# Altium PCB IP5306&IP5108.PcbDoc
Units mil, origin at the board's own origin, x right, y up, seen from the top; angles counter-clockwise.
Board outline 6000 x 4000 mil, 2 copper layers (Top Layer, Bottom Layer); 78 components, 43 nets, 213 pads, 106 vias.
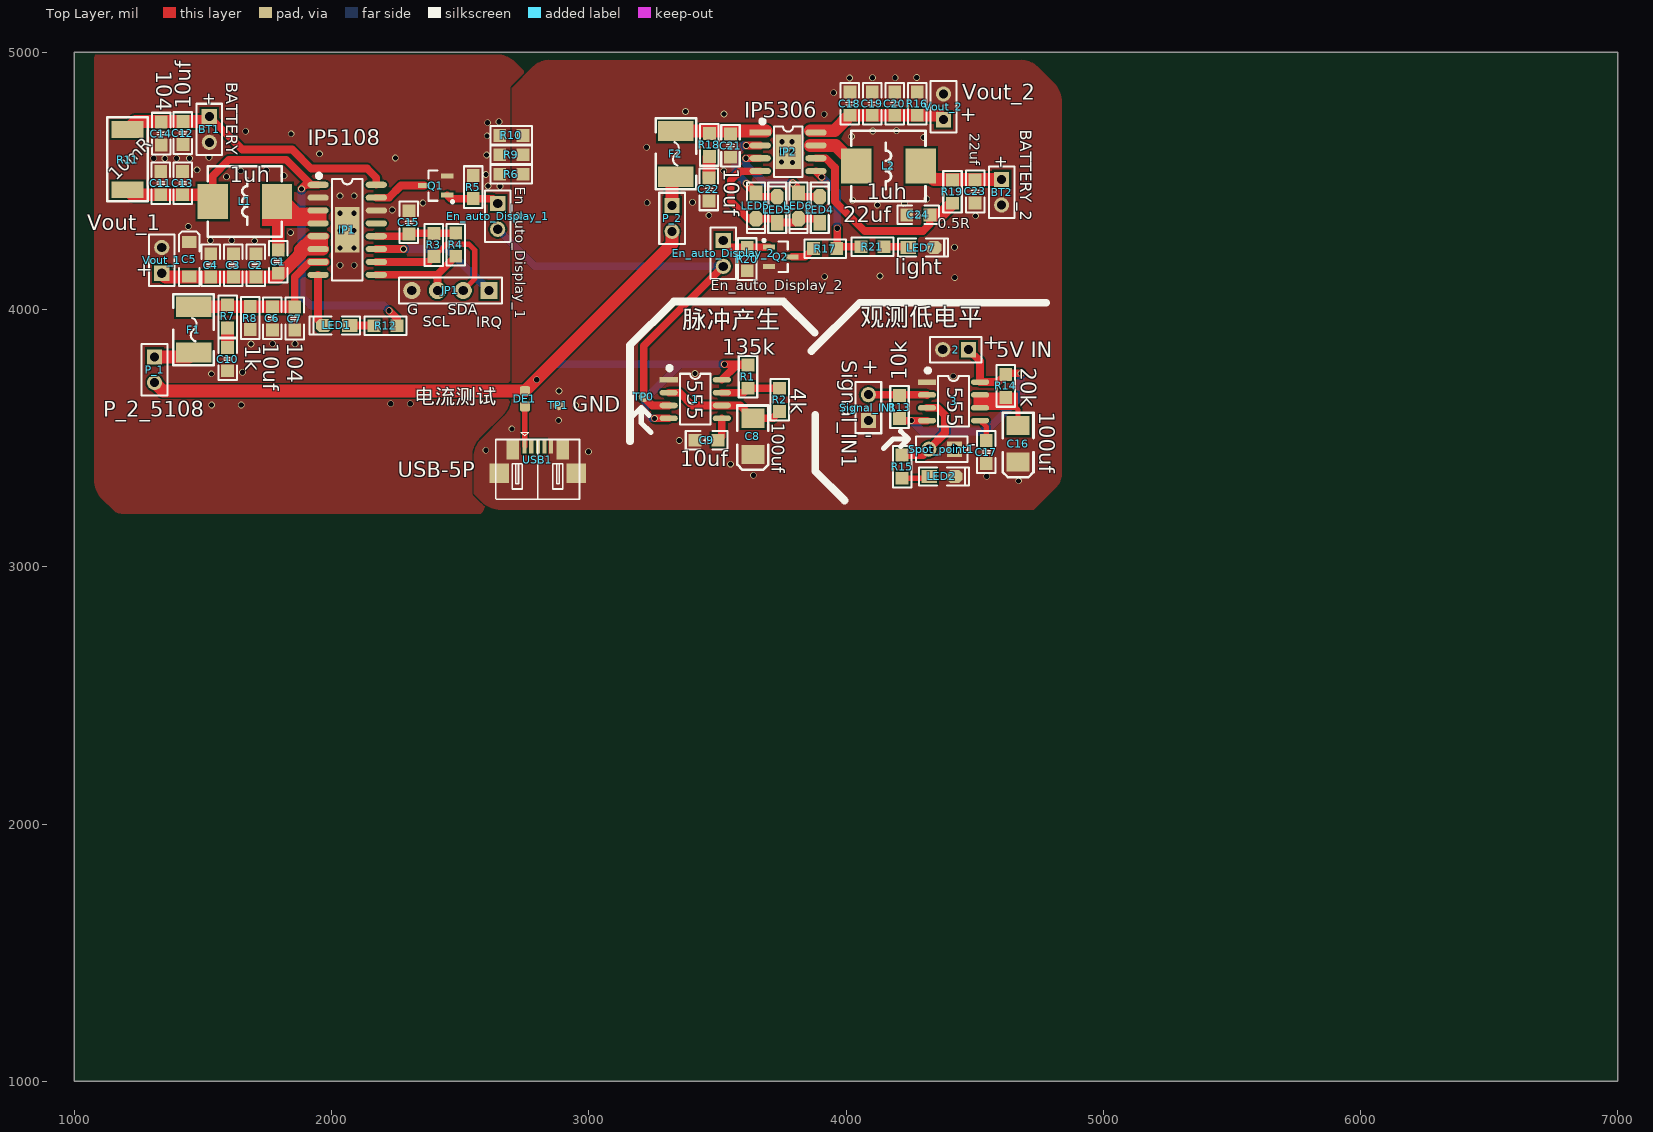
[diagram p0: Top Layer view]
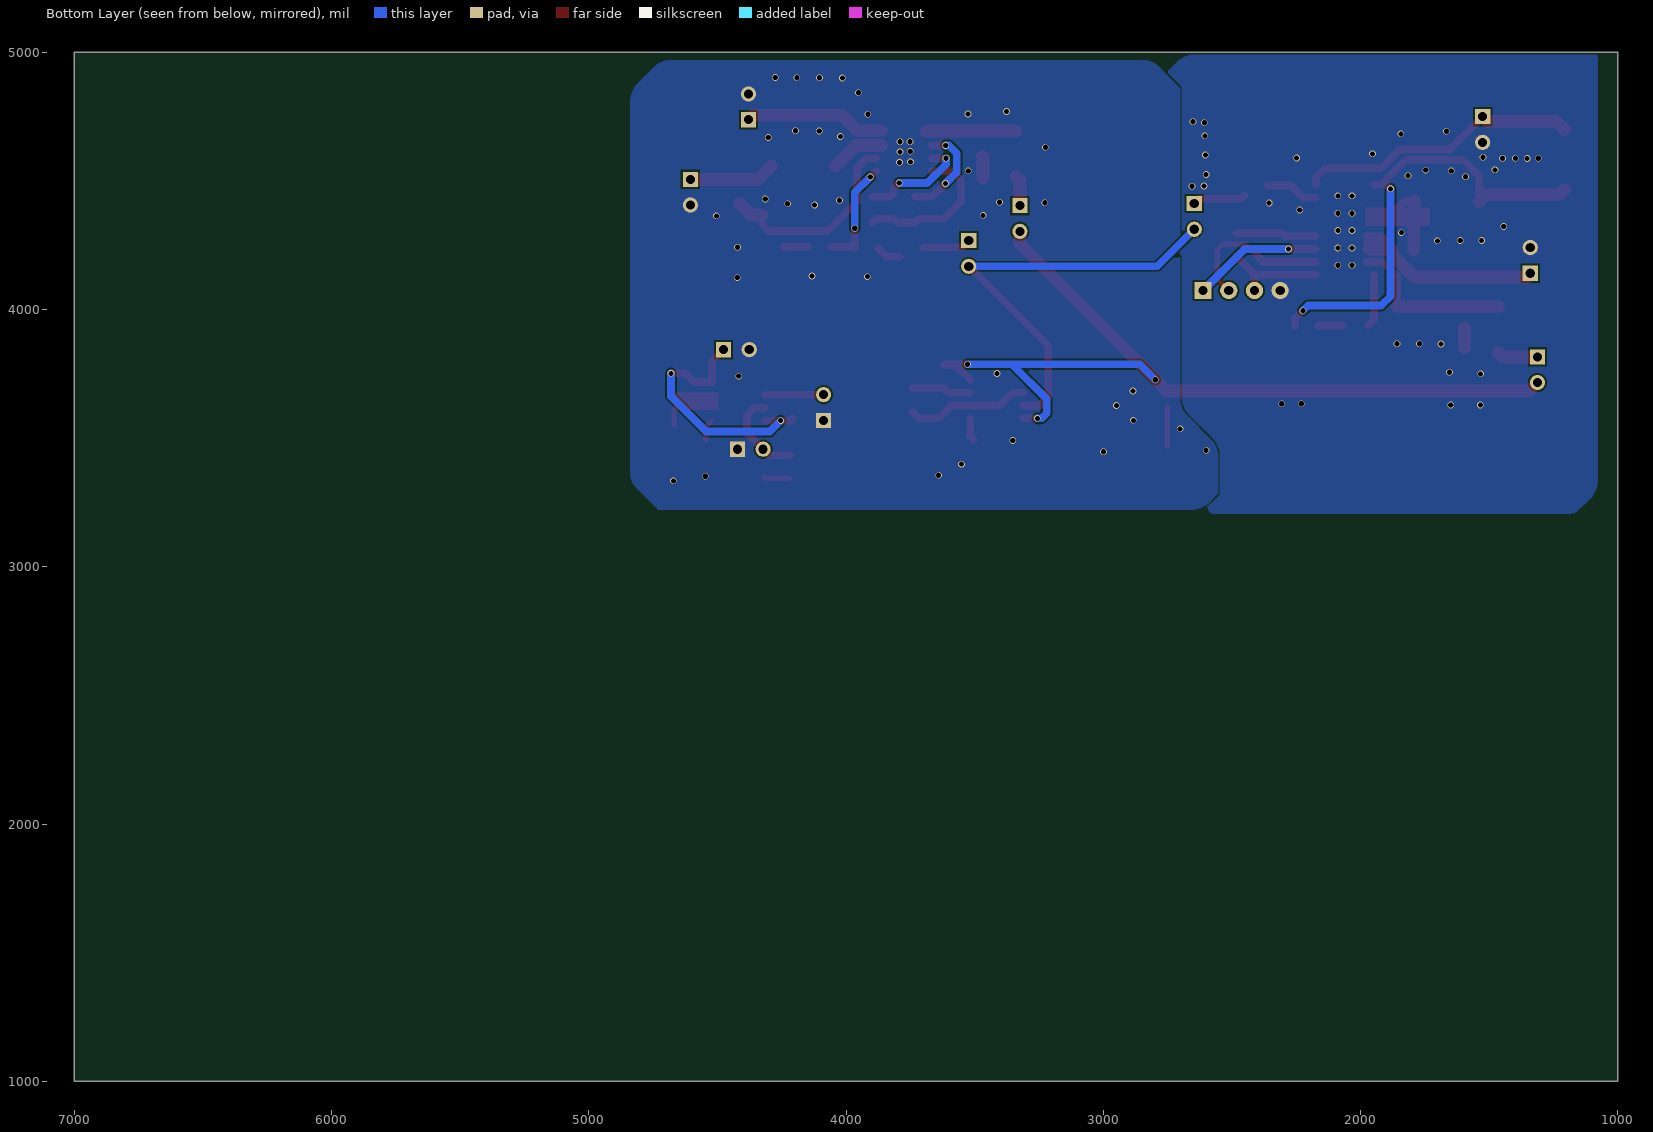
[diagram p1: Bottom Layer view, seen from below]

## Layer stack, top to bottom
Top Layer: signal copper 1.4
Dielectric: dielectric 12.6, FR-4, Dk 4.8
Bottom Layer: signal copper 1.4

## Board outline
1000,1000 7000,1000 7000,5000 1000,5000

## Design rules (kind name [scope] priority, off if disabled: settings)
Clearance [All] p1: gap=7
PlaneConnect [All] p1: planeconnectstyle=Direct reliefexpansion=20 reliefentries=4 reliefconductorwidth=10 reliefairgap=10
PolygonConnect [All] p1: connectstyle=Direct reliefconductorwidth=10 reliefentries=4 polygonreliefangle="90 Angle"
RoutingVias [All] p1: holewidth=28 width=26 viastyle="Through Hole" minholewidth=20 minwidth=26 maxholewidth=28 maxwidth=200
SilkscreenOverComponentPads [All] p1: minsilkscreentomaskgap=10
SolderMaskExpansion [All] p1: expansion=6
Width [All] p1: maxlimit=100 minlimit=10 preferedwidth=10
26 further rules are at their usual default settings.

## Components (designator, comment, footprint, x,y, rotation, side; value= is the part's Value field where it differs from the comment)
1 "555" SOP8_N 3414,3652 r0 top
2 "5V IN" HDR1X2 4476,3844 r180 top
3 "555" SOP8_N 4418,3643 r0 top
BT1 "BATTERY" BAT-2 1525,4700 r270 top
BT2 "BATTERY_2" BAT-2 4605,4456 r270 top
C1 "3.3nf" "C 0805_M" 1793,4186 r90 top
C2 "104" "C 0805_M" 1706,4172.06 r270 top
C3 "10uf" "C 0805_M" 1618.27,4172.06 r270 top
C4 "10uf" "C 0805_M" 1530.53,4172.06 r270 top
C5 "47uf" "CD A(3216)" 1446.73,4196 r270 top
C6 "10uf" "C 0805_M" 1770,3966 r90 top
C7 "104" "C 0805_M" 1857,3965 r90 top
C8 "100uf" "CD B(3528)" 3638,3507 r90 top
C9 "10uf" "C 0805_M" 3458,3492 r0 top
C10 "10uf" "C 0805_M" 1596,3807 r90 top
C11 "104" "C 0805_M" 1336,4491 r270 top
C12 "10uf" "C 0805_M" 1422,4686 r90 top
C13 "10uf" "C 0805_M" 1421,4491 r270 top
C14 "104" "C 0805_M" 1338,4684 r90 top
C15 "2.2uf" "C 0805_M" 2301,4339 r270 top
C16 "100uf" "CD B(3528)" 4669,3478 r90 top
C17 "10uf" "C 0805_M" 4545,3446 r90 top
C18 "22uf" "C 0805_M" 4015,4800 r270 top
C19 "22uf" "C 0805_M" 4102.27,4800 r270 top
C20 "22uf" "C 0805_M" 4189.53,4800 r270 top
C21 "10uf" "C 0805_M" 3551,4637 r90 top
C22 "10uf" "C 0805_M" 3467,4467 r90 top
C23 "22uf" "C 0805_M" 4502,4459 r90 top
C24 "22uf" "C 0805_M" 4281,4368 r0 top
DE1 "电流测试" DEBUG_B 2752,3653 r90 top
En_auto_Display_1 "En_auto_Display_1" HDR1X2 2646,4412 r270 top
En_auto_Display_2 "En_auto_Display_2" HDR1X2 3523,4268 r270 top
F1 "MSMD200-8V 2A" "FU 1812" 1464,3922 r90 top
F2 "MSMD200-8V 2A" "FU 1812" 3339,4605 r90 top
IP1 "IP5108" ESOP16_M 2061,4310 r0 top
IP2 "IP5306" ESOP8_M 3775,4613 r0 top
JP1 "I2C" HDR2.54-LI-4P 2462,4074 r180 top
L1 "1uh" L-SMD-0630 1663,4420 r180 top
L2 "1uh" L-SMD-0630 4165,4558 r0 top
LED1 "light" "LED 0805G" 2020,3938 r180 top
LED2 "led" "LED 0805G" 4373,3351 r0 top
LED3 "led2" "LED 0805G" 3732.67,4388 r90 top
LED4 "led4" "LED 0805G" 3898,4388 r90 top
LED5 "led1" "LED 0805G" 3650,4403 r270 top
LED6 "led3" "LED 0805G" 3815.33,4403 r270 top
LED7 "light" "LED 0805G" 4292,4241 r0 top
P_1 "P_2_5108" HDR1X2 1312,3816 r270 top
P_2 "P_2_5306" HDR1X2 3324,4404 r270 top
Q1 "SI2302" SOT23-3N 2405,4482 r90 top
Q2 "SI2302" SOT23-3N 3746,4205 r270 top
R1 "135k" "R 0805_M" 3619,3739 r90 top
R2 "4k" "R 0805_M" 3742,3649 r90 top
R3 "3.3K" "R 0805_M" 2398,4251 r90 top
R4 "3.3K" "R 0805_M" 2483,4252 r90 top
R5 "10k" "R 0805_M" 2551,4476 r90 top
R6 "0R" "R 0805_M" 2699,4526 r0 top
R7 "2R" "R 0805_M" 1596,3973 r270 top
R8 "1k" "R 0805_M" 1684,3967 r270 top
R9 "0R" "R 0805_M" 2699,4601.5 r0 top
R10 "0R" "R 0805_M" 2699,4677 r0 top
R11 "10mR" "R 2512-HP_L" 1207,4582 r90 top
R12 "220r" "R 0805_M" 2210,3937 r0 top
R13 "10k" "R 0805_M" 4208,3621 r90 top
R14 "20k" "R 0805_M" 4621,3703 r270 top
R15 "220r" "R 0805_M" 4218,3389 r90 top
R16 "1k" "R 0805_M" 4276.8,4800 r90 top
R17 "10K" "R 0805_M" 3919,4237 r180 top
R18 "2R" "R 0805_M" 3469,4640 r270 top
R19 "0.5R" "R 0805_M" 4414,4458 r270 top
R20 "10k" "R 0805_M" 3616,4196 r270 top
R21 "220r" "R 0805_M" 4103,4244 r0 top
Signal_IN1 "Signal_IN1" HDR1X2 4087,3569 r90 top
Spot_point1 "Spot_point" HDR1X2 4422,3457 r180 top
TP0 "display" "TEST 1" 3214,3660 r90 top
TP1 "GND" "TEST 1" 2882,3628 r180 top
USB1 "USB-5P" USB-MICRO_E 2802,3376 r0 top
Vout_1 "Vout_1" HDR1X2 1340,4141 r90 top
Vout_2 "Vout_2" HDR1X2 4379,4738 r90 top

## Footprints (in the part's own frame and the unit in brackets; to place one, negate y for a bottom-side part, rotate by r counter-clockwise, add the part's x,y. Pads: shape width x height; smd on the part's side, far side on the other; paste and mask are expansions set on the pad)
BAT-2 [mm] "Multicell Battery; 2 Leads"
  rect 1.5x1.5 hole 0.9: 1(-1.27,0)
  round 1.5 hole 0.9: 2(1.27,0)
  silkscreen extent -2.54,-1.27 2.54,1.27
"C 0805_M" [mil]
  rect 50x50 smd: 1(-45,0) 2(45,0)
  silkscreen extent -81,-36 81,36, body extent -39,-24 39,24, height 20
"CD A(3216)" [mm]
  rect 1.2x1.4 smd: 1(-1.7,0) 2(1.7,0)
  silkscreen extent -2.74,-1.02 2.67,1.02, body extent -1.6,-0.8 1.6,0.8, height 1.6
"CD B(3528)" [mil]
  rect 75x90 smd: 1(-70.87,-0.01) 2(70.86,-0.01)
  silkscreen extent -130,-60 120,60, body extent -69,-55 69,55, height 75
DEBUG_B [mil]
  rrect50% 40x40 smd paste+0 mask+0: 1(-30,0) 2(30,0)
ESOP8_M [mm] "5*6*1.8"
  rect 2.1x0.6 smd: 1(-2.75,1.905)
  oval 2.1x0.6 smd: 2(-2.75,0.635) 3(-2.75,-0.635) 4(-2.75,-1.905) 5(2.75,-1.905) 6(2.75,-0.635) 7(2.75,0.635) 8(2.75,1.905)
  rect 2.5x3.4 smd paste-2: 9(0,0)
  rect 0.9x0.7 on Top Paste: 10(-0.625,-1.1) 10(-0.625,0) 10(-0.625,1.1) 11(0.65,-1.1) 11(0.65,0) 11(0.65,1.1)
  silkscreen extent -2.69,-2.5 1.4,3.15, body extent -3,-2.5 3,2.5, height 1.53
ESOP16_M [mm] "10.3*6.2*1.8"
  oval 2.1x0.6 smd: 1(-2.875,4.445) 2(-2.875,3.175) 3(-2.875,1.905) 4(-2.875,0.635) 5(-2.875,-0.635) 6(-2.875,-1.905) 7(-2.875,-3.175) 8(-2.875,-4.445) 9(2.875,-4.445) 10(2.875,-3.175) 11(2.875,-1.905) 12(2.875,-0.635) 13(2.875,0.635) 14(2.875,1.905) 15(2.875,3.175) 16(2.875,4.445)
  rect 0.9x0.7 on Top Paste: 10(-0.625,-0.575) 10(-0.625,0.525) 10(-0.625,1.625) 10(0.625,-1.625) 11(-0.65,-1.625) 11(0.65,-0.575) 11(0.65,0.525) 11(0.65,1.625)
  rect 2.4x4.5 smd paste-3: 17(0,0)
  silkscreen extent -2.95,-5 1.52,5.49, body extent -3,-5 3,5, height 1.53
"FU 1812" [mm]
  rect 2x3.5 smd: 1(-2.25,0) 2(2.25,0)
  silkscreen extent -3.5,-2 3.5,2, body extent -2.3,-1.61 2.3,1.61, height 0.87
HDR1X2 [mm] "Connector; Header; 2 Position"
  rect 1.5x1.5 hole 0.9: 1(0,0)
  round 1.5 hole 0.9: 2(2.54,0)
  silkscreen extent -1.27,-1.27 3.81,1.27
HDR2.54-LI-4P [mm]
  rect 1.7x1.7 hole 0.9: 1(-3.81,0)
  round 1.7 hole 0.9: 2(-1.27,0) 3(1.27,0) 4(3.81,0)
  silkscreen extent -5.08,-1.27 5.08,1.27, body extent -5.08,-1.27 5.08,1.27, height 8.5
L-SMD-0630 [mm]
  rect 3x3.5 smd: 1(-3.175,0) 2(3.175,0)
  silkscreen extent -3.66,-3.48 3.66,3.48, body extent -3.47,-3.3 3.47,3.3, height 3.05
"LED 0805G" [mil] "绿色0"
  rect 60x50 smd: 1(-50,0)
  oct 60x50 smd: 2(50,0)
  silkscreen extent -90,-35 105,35, body extent -39,-25 39,25, height 32
"R 0805_M" [mil]
  rect 50x50 smd: 1(-45,0) 2(45,0)
  silkscreen extent -81,-36 81,36, body extent -39,-25 39,25, height 20
"R 2512-HP_L" [mm]
  rect 1.65x3.2 smd: 1(-2.95,0) 2(3,0)
  silkscreen extent -4.1,-2 4.2,2, body extent -3.2,-1.6 3.2,1.6, height 0.55
SOP8_N [mm] "5*6*1.8mm"
  rect 1.8x0.55 smd: 1(-2.625,1.905)
  oval 1.8x0.55 smd: 2(-2.625,0.635) 3(-2.625,-0.635) 4(-2.625,-1.905) 5(2.625,-1.905) 6(2.625,-0.635) 7(2.625,0.635) 8(2.625,1.905)
  silkscreen extent -2.69,-2.5 1.52,3.2, body extent -3,-2.5 3,2.5, height 1.9
SOT23-3N [mm]
  rect 0.5x1.2 smd: 1(-0.95,-1.143) 2(0.95,-1.143) 3(0,1.143)
  silkscreen extent -1.72,-1.78 1.5,0.7, body extent -1.5,-1.2 1.5,1.2, height 1.05
"TEST 1" [mm]
  round 1 smd paste-1: 1(0,0)
USB-MICRO_E [mm] "mi"
  rect 0.4x1.4 smd: 1(-1.296,2.355) 2(-0.648,2.355) 3(0,2.355) 4(0.648,2.355) 5(1.295,2.355)
  rect 1.9x1.9 smd: 5(-3.81,-0.312) 5(3.784,-0.312)
  rect 1.25x2 smd: 5(-2.464,2.025) 5(2.464,2.025)
  silkscreen extent -4.14,-2.89 4.11,3.75, body extent -3.98,-2.77 3.98,2.65, height 2.69

## Part data
2 En_auto_Display_1 En_auto_Display_2 P_1 P_2 Signal_IN1 Spot_point1 Vout_1 Vout_2: library part "Header 2", "Header, 2-Pin"
BT1: "Multicell Battery"
BT2: library part BATTERY, "Multicell Battery"
C1 C2 C3 C4 C6 C7 C9 C10 C11 C12 C13 C14 C15 C17 C18 C19 C20 C21 C22 C23 C24: library part C
C5 C8 C16: library part C, "无极性贴片电容"
DE1: library part DEBUG
F1 F2: library part FU
JP1: library part "Header 4"
L1 L2: library part L-CDRH
LED1 LED2 LED3 LED4 LED5 LED6 LED7: library part LED-SMD, "贴片LED"
Q1 Q2: "N沟道场效应管"
R1 R2 R3 R4 R5 R6 R7 R8 R9 R10 R11 R12 R13 R14 R15 R16 R17 R18 R19 R20 R21: library part R
TP0 TP1: library part TEST
USB1: "微型USB母座"

## Via types
v1: diameter 26, hole 20, Top Layer to Bottom Layer, tented both sides, 106 vias

## Nets (pads, with @x,y where several pads share a name; then routed paths per layer and width w, separated by ;. In a path a pad name is that pad's centre, name@x,y a point inside that pad or via, vN(x,y) a via of type N, cw(c..) or ccw(c..) an arc to the next point about the centre after c; other vN are vias at no path point)
5+: 2.1 3.4 3.8 R13.1 R14.1 | length 1017.2
  Top Layer w30: R13.1 4216,3568 v1(4254,3568) 3.4 ; 2.1 4521.35,3798.65 3.8 4591,3718 R14.1 4625,3752 v1(4680,3752)
  Bottom Layer w30: v1(4254,3568) 4296,3526 4544,3526 4680,3662 v1(4680,3752)
CSIN: C11.2 C13.2 IP1.1 L1.2 R11.1 R12.2 | length 1822.2
  Top Layer w30: L1.2 1538,4519 1601,4582 1824,4582 IP1.1@1921,4485 ; v1(1883,4469) 1899,4485 IP1.1@1921,4485 ; IP1.1 IP1.1@1921,4485 ; v1(2224,3995) 2255,3964 R12.2
  Top Layer w50: R11.1 1226.86,4446 C11.2 C13.2 1512,4446 L1.2
  Bottom Layer w30: v1(1883,4469) 1883,4052 1919,4016 2203,4016 v1(2224,3995)
DISPLAY: 1.3 En_auto_Display_1.2 En_auto_Display_2.2 TP0.1 | length 1683
  Top Layer w30: 1.3 3247,3627 TP0.1 3214,3859 En_auto_Display_2.2
  Bottom Layer w30: En_auto_Display_1.2 2790,4168 En_auto_Display_2.2
GND: 1.1 2.2 3.1 BT2.2 C8.1 C9.1 C16.1 C17.1 C18.1 C19.1 C20.1 C21.1 C22.1 C23.1 C24.1 IP2.9 LED2.2 LED7.2 Q2.2 R6.2 R9.2 R10.2 R16.2 R20.2 Signal_IN1.1 Spot_point1.1 TP1.1 USB1.5 Vout_2.2
  other v1: 4671,3334 4547,3352 3640,3356 3551,3399 2999,3447 2600,3453 3352,3491 2701,3536 2883,3569 2949,3627 2884,3683 4417,3741 3413,3751 4423,4124 3917,4128 4132,4130 4422,4242 4504,4364 3467,4366 4122,4406 4227,4411 3227,4415 3403,4417 4025,4425 4314,4430 3525,4539 3792,4572 3749,4574 3790,4613 3750,4615 3225,4631 3751,4652 3790,4652 4302,4669 4022,4673 4104,4694 4196,4695 3915,4759 3526,4760 3376,4770 3952,4843 4014,4900 4103,4901 4191,4901 4275,4902
GND_5108: BT1.2 C2.1 C3.1 C4.1 C5.1 C6.1 C7.1 C10.1 C11.1 C12.1 C13.1 C14.1 C15.1 IP1.2 IP1.14 IP1.17 JP1.4 Q1.2 R5.2 R6.1 R8.2 R9.1 R10.1 Vout_1.2
  other v1: 1534,3629 1649,3629 2230,3634 2306,3634 1533,3750 1654,3756 1687,3866 1771,3867 1858,3867 2033,4172 2088,4172 2033,4239.5 2088,4239.5 1701,4267 1529,4268 1612,4268 1841,4299 2033,4307 2088,4307 1443,4323 2033,4374.5 2088,4374.5 2236,4387 2355,4414 2033,4442 2088,4442 2655,4479 2608,4480 1592,4516 1815,4520 2600,4525 1647,4539 1746,4542 1477,4543 1352,4587 1309,4588 1398,4588 1448,4588 2248,4589 1524,4592 2603,4601 1953,4605 2605,4675 1843,4683 1666,4693 2607,4726 2651,4730
IRQ: IP1.11@2174.19,4235 JP1.1 | length 504.5
  Top Layer w30: IP1.11@2174.19,4235 v1(2280,4235)
  Bottom Layer w30: v1(2280,4235) 2451,4235 JP1.1
KEY: IP2.5 R17.1 R21.1 | length 427.3
  Top Layer w30: IP2.5 v1(3906,4515.27) ; v1(3966,4316) 3966,4239 3971,4244 R21.1
  Bottom Layer w30: v1(3906,4515.27) 3966,4455.27 v1(3966,4316)
KEY_5108: IP1.15 Q1.3 | length 205.3
  Top Layer w30: IP1.15 2223,4435 2270,4482 Q1.3
L1: IP1.9 JP1.3 R4.1 | length 400
  Top Layer w30: IP1.9 2411,4135 ; JP1.3 2412,4134 2411,4135 ; R4.1 2411,4135
L2: IP1.10@2174.19,4185 JP1.2 R3.1 | length 596.6
  Top Layer w20: R3.1 2446,4254 2534,4254 2557,4231 2557,4119 JP1.2
  Top Layer w30: IP1.10@2174.19,4185 2377,4185 R3.1
LIGHT: IP1.8 LED1.2 | length 206.2
  Top Layer w30: IP1.8 1947.81,3960.19 LED1.2
LX: C1.2 IP1.3 IP1.4 L1.1 | length 287.5
  Top Layer w30: L1.1 1830,4420 1869,4381
  Top Layer w50: L1.1 cw(c1775.93,4407.93) 1793,4407.93 C1.2
Net1_2: 1.2 1.6 C8.2 R2.1 | length 483.2
  Top Layer w30: 1.2 3353,3677 3403,3627 1.6 3588.87,3627 C8.2 3715.86,3577.86 R2.1
Net1_5: 1.5 C9.2 | length 90.9
  Top Layer w30: C9.2 3517.35,3506.35 1.5
Net1_7: 1.7 R1.1 R2.2 | length 231.7
  Top Layer w30: 1.7 3602,3677 R1.1 R2.2
Net3_2: 3.2 R13.2 Signal_IN1.2 | length 228.1
  Top Layer w30: Signal_IN1.2 4313.65,3669 3.2
Net3_5: 3.5 C17.2 | length 86.8
  Top Layer w20: 3.5 4545,3544.35 C17.2
Net3_6: 3.6 3.7 C16.2 R14.2 | length 129
  Top Layer w20: R14.2 4669.01,3609.99 C16.2
NetBT2_1: BT2.1 C23.2 L2.2 R19.1 | length 336.5
  Top Layer w50: L2.2 4342,4506 BT2.1
NetC10_2: C10.2 R7.2 | length 76
  Top Layer w50: C10.2 R7.2
NetC18_2: C18.2 C19.2 C20.2 IP2.8 R16.1 Vout_2.1 | length 549.9
  Top Layer w50: IP2.8@3861,4695 3955,4695 C18.2 C19.2 C20.2 R16.1 4362,4755 Vout_2.1
NetC21_2: C21.2 F2.2 IP2.1 R18.1 | length 350
  Top Layer w50: F2.2 IP2.1@3689,4693.58
NetC22_2: C22.2 R18.2 | length 83.8
  Top Layer w50: C22.2 3467,4593 R18.2
NetC24_2: C24.2 IP2.6 R19.2 | length 790.5
  Top Layer w30: IP2.6 3921,4588 3957,4552 3957,4421 4073,4305 4299,4305 4326,4332 C24.2
  Top Layer w50: C24.2 4369,4368 R19.2
NetDE1_1: DE1.1 USB1.1 | length 155.2
  Top Layer w20: USB1.1 2750.99,3621.99 DE1.1 DE1.1@2751.62,3622.62
NetEn_auto_Display_1_1: En_auto_Display_1.1 Q1.1 R5.1 | length 209.5
  Top Layer w30: Q1.1 2463.6,4431 R5.1 2627,4431 En_auto_Display_1.1
NetEn_auto_Display_2_1: En_auto_Display_2.1 Q2.1 R20.1 | length 188.6
  Top Layer w30: En_auto_Display_2.1 3548.6,4242.4 Q2.1
NetIP2_2: IP2.2 LED3.2 LED5.1 | length 386.2
  Top Layer w30: v1(3612,4638) IP2.2 ; v1(3613,4490) LED5.1 3665,4438 LED3.2
  Bottom Layer w30: v1(3612,4638) 3600,4638 3570,4608 3570,4533 v1(3613,4490)
NetIP2_3: IP2.3 LED4.2 LED6.1 | length 428.1
  Top Layer w30: v1(3611,4588) IP2.3 ; v1(3793,4492) 3815.33,4469.67 LED6.1 3830.33,4438 LED4.2
  Bottom Layer w30: v1(3611,4588) 3611,4565 3684,4492 v1(3793,4492)
NetIP2_4: IP2.4 LED3.1 LED4.1 LED5.2 LED6.2 | length 603.5
  Top Layer w30: IP2.4 3588,4538 3552,4502 3552,4421 3620,4353 LED5.2 3717.67,4353 LED3.1 3800.33,4338 LED6.2 3883,4353 LED4.1
NetIP2_7: IP2.7 L2.1 | length 212.1
  Top Layer w50: IP2.7@3861,4638 3960,4638 L2.1
NetLED1_1: LED1.1 R12.1 | length 95.4
  Top Layer w30: LED1.1 2164,3938 R12.1
NetLED2_1: LED2.1 R15.1 | length 107.9
  Top Layer w20: R15.1 4316,3344 LED2.1
NetLED7_1: LED7.1 R21.2 | length 95.2
  Top Layer w30: R21.2 4239,4244 LED7.1
NetQ2_3: Q2.3 R17.2 | length 96.3
  Top Layer w30: Q2.3 3842,4205 R17.2
SOPT_POINT: 3.3 R15.2 Spot_point1.2 | length 354
  Top Layer w30: R15.2 4299,3434 Spot_point1.2 4385,3520 4385,3589 4356,3618 3.3
VBAT: BT1.1 C12.2 C14.2 IP1.16 R11.2 | length 1113.9
  Top Layer w30: BT1.1 1653,4622 1847,4622 1921,4548 2139,4548 2174.19,4512.81 IP1.16
  Top Layer w50: R11.2 1237.89,4731 C12.2 1506,4731 BT1.1
VCC_5108: F1.1 P_1.1 | length 159.2
  Top Layer w50: P_1.1 1446.58,3816 F1.1
VIN: C6.2 C7.2 F1.2 IP1.7 R7.1 R8.1 | length 653.2
  Top Layer w30: C7.2 1857,4126.53 1915.47,4185 IP1.7@1977,4185
  Top Layer w50: F1.2 C7.2@1856.42,4010.58
VIN_5V: 1.4 1.8 DE1.2 P_1.2 P_2.2 R1.2 | length 3628.8
  Top Layer w30: v1(3256,3577) 1.4 ; 1.8 3574.35,3784 R1.2 3616,3787 v1(3527,3787)
  Top Layer w50: P_1.2 1345,3683 DE1.2 3324,4255 P_2.2
  Bottom Layer w30: v1(2798,3727) 2858,3787 3355,3787 ; v1(3256,3577) 3240,3577 3220,3597 3220,3652 3355,3787 ; v1(3527,3787) 3355,3787
VIN_5V_2: F2.1 P_2.1 | length 118.6
  Top Layer w50: P_2.1 3324,4501.42 F2.1
VOUT: C1.1 C2.2 C3.2 C4.2 C5.2 IP1.5 IP1.6 Vout_1.1 | length 834.5
  Top Layer w30: 1869.5,4205.5 1869.5,4235.5 1919,4285 IP1.5@1977,4285
  Top Layer w50: Vout_1.1 1353.94,4127.06 C4.2 C3.2 C2.2 1791.06,4127.06 1869.5,4205.5 1899,4235 IP1.6 IP1.6@1966,4235
VREG: C15.2 IP1.12 R3.2 R4.2 | length 313.8
  Top Layer w30: IP1.12 2292,4285 C15.2 2304,4297 R4.2
pads on no net: IP1.10@2036.39,4287.36 IP1.10@2036.39,4330.67 IP1.10@2036.39,4373.98 IP1.10@2085.61,4246.02 IP1.11@2035.41,4246.02 IP1.11@2086.59,4287.36 IP1.11@2086.59,4330.67 IP1.11@2086.59,4373.98 IP1.13 IP2.10 IP2.11 USB1.2 USB1.3 USB1.4

## Polygon pours and split planes (outlines as drawn)
GND on Top Layer "Top Layer-No Net" (solid, pour order 6): 2701.29,4862 2701.29,3657.42 cw(c2601.29,3657.42) 2672,3586.71 2581.29,3496 ccw(c2648.89,3428.4) 2553.29,3428.4 2553.29,3284 2586,3251.29 ccw(c2656.71,3322) 2656.71,3222 4729.29,3222 4818.49,3311.2 ccw(c4770.69,3359) 4838.29,3359 4838.29,4808.58 ccw(c4738.29,4808.58) 4809,4879.29 4743.29,4945 ccw(c4682.93,4884.64) 4682.93,4970 2844.29,4970 ccw(c2844.29,4885.5) 2784.54,4945.25 2701.29,4862
GND_5108 on Top Layer "Top Layer-No Net" (solid, pour order 8): 1078,4979 1078,3335.42 ccw(c1178,3335.42) 1107.29,3264.71 1153,3219 ccw(c1181.97,3247.97) 1181.97,3207 2580,3207 2781.71,3408.71 ccw(c2711,3479.42) 2811,3479.42 2811,4779 2811,4823.58 ccw(c2711,4823.58) 2781.71,4894.29 2717,4959 2714.29,4961.71 ccw(c2643.58,4891) 2643.58,4991 1082,4991
GND on Bottom Layer "Top Layer-No Net" (solid, pour order 5): 2701.29,4862 2701.29,3657.42 cw(c2601.29,3657.42) 2672,3586.71 2581.29,3496 ccw(c2648.89,3428.4) 2553.29,3428.4 2553.29,3284 2586,3251.29 ccw(c2656.71,3322) 2656.71,3222 4729.29,3222 4818.49,3311.2 ccw(c4770.69,3359) 4838.29,3359 4838.29,4808.58 ccw(c4738.29,4808.58) 4809,4879.29 4743.29,4945 ccw(c4682.93,4884.64) 4682.93,4970 2844.29,4970 ccw(c2844.29,4885.5) 2784.54,4945.25 2701.29,4862
GND_5108 on Bottom Layer "Top Layer-No Net" (solid, pour order 7): 1078,4979 1078,3335.42 ccw(c1178,3335.42) 1107.29,3264.71 1153,3219 ccw(c1181.97,3247.97) 1181.97,3207 2580,3207 2781.71,3408.71 ccw(c2711,3479.42) 2811,3479.42 2811,4779 2811,4823.58 ccw(c2711,4823.58) 2781.71,4894.29 2717,4959 2714.29,4961.71 ccw(c2643.58,4891) 2643.58,4991 1082,4991

## Other copper
Top Layer:
  rectangle net VOUT: 1899,4235 1987,4286
  rectangle net LX: 1729,4324 1980,4396
  rectangle net Net3_6: 4495,3609.99 4669.01,3678

## Silkscreen, mask and mechanical layers (free items; w line width, h text height)
Top Overlay:
  lines w20: 3174,3589 3204,3619 ; 3234,3589 3204,3619 ; 3241.5,3521.5 3204,3559 3204,3619 ; 4145.5,3459.5 4183,3497 4243,3497 ; 4213,3467 4243,3497 ; 4213,3527 4243,3497
  lines w30: 3160,3488 3160,3861 3330,4031 3757,4031 3878,3910 ; 3866,3839 4053,4026 4778,4026 ; 3880,3590 3880,3372 3994,3258
  text "+" at 4442,4713 h100
  text "+" at 1238,4110 h100
  text "SDA" at 2451,3967 h70
  text "G" at 2295,3966 h70
  text "SCL" at 2354,3919 h70
  text "IRQ" at 2562,3918 h70
  text "观测低电平" at 4055,3913 h120
  text "脉冲产生" at 3363,3904 h120
  text "+" at 4532,3826 h100
  text "+" at 4061,3730 h100
  text "-" at 4072,3464 h100
  text "-" at 4478,3431 h100
Top Solder:
  lines w20: 2750.99,3468.72 2750.99,3621.99
  lines w30: 1857,4010 1857,4126.53 1915.47,4185

## Text inside footprints (layer, text, board x,y; h text height)
BT1: Top Overlay "+" at 1502.28,4844.49 h45.28 r270
BT2: Top Overlay "+" at 4582.28,4600.49 h45.28 r270